# Altium PCB Core.PcbDoc (part 2 of 3)
Units mm, origin at the board's own origin, x right, y up, seen from the top; angles counter-clockwise.
Board outline 77.6 x 67.71 mm, 4 copper layers (Top Layer, Layer 1, Layer 2, Bottom Layer), stack 1.564 mm thick; 287 components, 230 nets, 1091 pads, 581 vias.
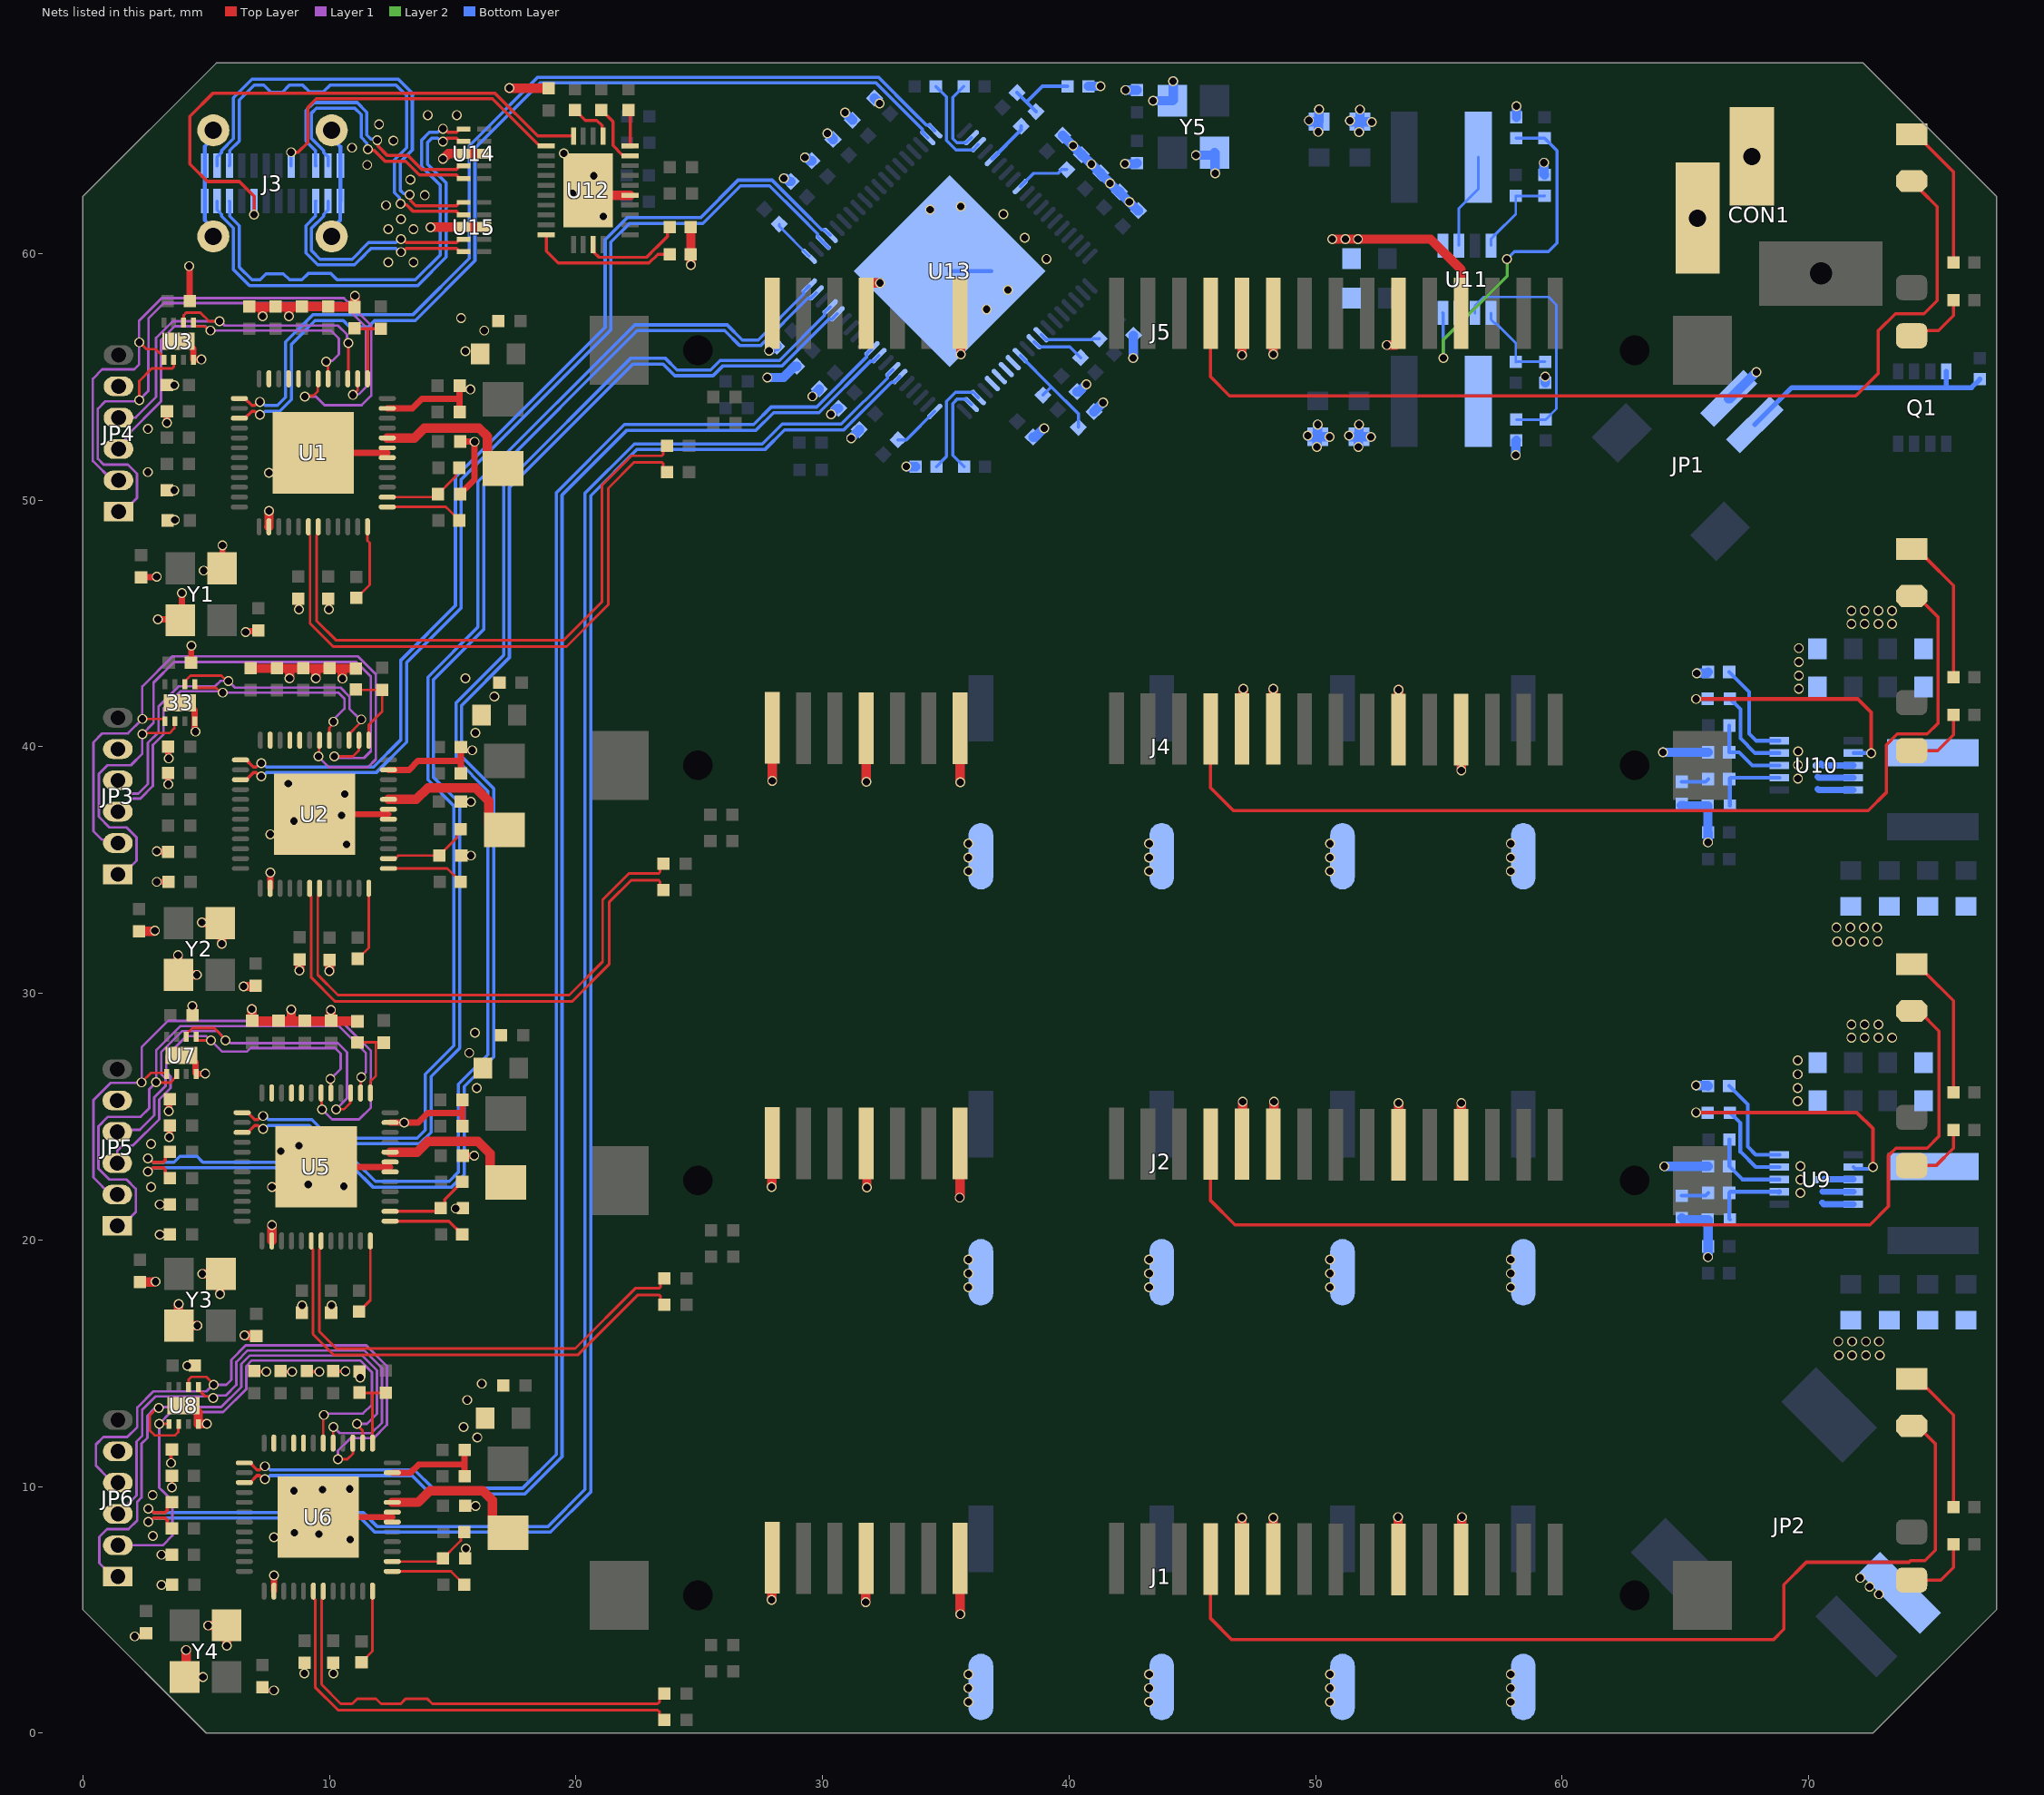
[diagram p4: the nets of this part, all layers, seen from the top]

## Via types
v1: diameter 0.4, hole 0.3, Top Layer to Bottom Layer, tented both sides, 581 vias

## Nets (pads, with @x,y where several pads share a name; then routed paths per layer and width w, separated by ;. In a path a pad name is that pad's centre, name@x,y a point inside that pad or via, vN(x,y) a via of type N, cw(c..) or ccw(c..) an arc to the next point about the centre after c; other vN are vias at no path point) (continued)
GND: 33.4 33.9 C17.1 C18.1 C19.1 C20.1 C21.1 C22.1 C25.1 C26.1 C27.1 C28.1 C29.1 C30.1 C31.1 C32.1 C33.1 C34.1 C35.1 C36.1 C37.1 C38.1 C39.1 C40.1 C41.1 C42.1 C43.1 C44.1 C45.1 C46.1 C47.1 C48.1 C49.1 C50.1 C55.2 C56.2 C57.2 C58.2 C59.1 C60.1 C61.1 C62.1 C63.1 C64.1 C67.1 C68.1 C69.1 C70.1 C71.1 C72.1 C73.1 C74.1 C75.1 C76.1 C77.1 C78.1 C79.1 C80.1 C81.1 C82.1 C83.1 C84.1 C85.1 C86.1 C87.1 C88.1 C89.1 C90.1 C91.1 C92.1 C97.2 C98.2 C99.2 C100.2 C102.1 C103.1 C104.1 C105.1 C106.1 C107.1 C108.1 C109.1 C110.1 C111.1 C113.1 C114.1 C115.1 C116.1 C117.1 C118.1 C119.1 C120.1 C121.1 C122.1 C123.1 C124.1 C125.1 C126.1 C127.1 C128.1 C129.1 C131.2 C142.2 C143.2 C144.1 C145.1 C146.1 C147.1 C148.1 C149.1 C150.1 C151.1 C152.1 C153.1 C154.1 C155.1 C156.1 C157.1 C158.1 C159.1 C160.1 C161.1 C162.1 C163.1 C164.1 CON1.2 CON1.3 E1.2 E2.2 E3.2 E4.2 E5.2 E6.2 E7.2 E8.2 E9.2 E10.2 E11.2 E12.2 J1.P5 J1.P6 J1.P10 J1.P12 J1.S1 J1.S4 J1.S7 J2.P5 J2.P6 J2.P10 J2.P12 J2.S1 J2.S4 J2.S7 J3.A1 J3.A12 J3.B1 J3.B12 J3.SH1 J3.SH2 J3.SH3 J3.SH4 J4.P5 J4.P6 J4.P10 J4.P12 J4.S1 J4.S4 J4.S7 J5.P5 J5.P6 J5.P10 J5.P12 J5.S1 J5.S4 J5.S7 JP1.2 JP2.2 JP3.5 JP4.5 JP5.5 JP6.5 R5.1 R6.1 R13.1 R14.1 R21.2 R22.2 R23.2 R27.2 R28.2 R29.2 R32.2 R33.2 R36.2 R37.2 R44.2 R46.1 R48.1 R49.2 R53.2 U1.26 U1.42 U1.43 U1.47 U1.49 U2.26 U2.42 U2.43 U2.47 U2.49 U3.4 U3.9 U5.26 U5.42 U5.43 U5.47 U5.49 U6.26 U6.42 U6.43 U6.47 U6.49 U7.4 U7.9 U8.4 U8.9 U9.3 U9.4 U9.5 U9.11 U10.3 U10.4 U10.5 U10.11 U11.5 U12.19 U12.29 U13.77 U14.3 U14.8 U15.3 U15.8 Y1.2 Y1.4 Y2.2 Y2.4 Y3.2 Y3.4 Y4.2 Y4.4 Y5.2 Y5.4 | length 219.9
  Top Layer w0.152: v1(2.108,3.926) 2.438,3.926 C99.2@2.565,4.053 ; v1(3.189,7.239) C76.1@3.614,7.239 ; v1(3.196,6.02) C82.1@3.621,6.02 ; v1(3.579,10.952) 3.579,11.471 C91.1@3.614,11.506 ; v1(3.614,9.975) C81.1@3.614,10.439 ; v1(4.242,14.906) 4.535,14.906 C164.1@4.539,14.91 ; C88.1@6.96,14.692 6.99,14.662 v1(7.435,14.662) ; C100.2@7.29,1.861 7.417,1.734 v1(7.747,1.734) ; C78.1@8.026,14.692 8.06,14.659 v1(8.495,14.659) ; v1(8.992,2.427) C79.1@8.992,2.852 ; C92.1@9.093,14.692 9.121,14.665 v1(9.59,14.665) ; v1(10.16,2.427) C80.1@10.16,2.852 ; C77.1@10.16,14.692 10.168,14.684 v1(10.649,14.684) ; R14.1@11.227,14.664 11.252,14.639 v1(11.252,14.416) ; v1@13.284,62.967 v1(13.284,62.992) ; v1(13.868,62.357) v1@13.868,62.382 ; C60.1@15.505,7.087 15.533,7.114 v1(15.533,7.48) ; C75.1@15.505,9.22 v1(15.93,9.22)
  Top Layer w0.254: C55.2@2.362,46.87 2.371,46.879 2.989,46.879 v1(2.998,46.888) ; v1(2.997,34.519) C33.1@3.469,34.519 ; v1(2.997,35.763) 3.01,35.75 3.449,35.75 C36.1@3.462,35.738 ; v1(3.048,45.161) 3.917,45.161 Y1.2@3.951,45.127 4.013,45.19 v1(4.013,46.225) ; v1(3.124,20.218) C73.1@3.533,20.218 ; v1(3.124,21.438) C67.1@3.526,21.438 ; C28.1@3.411,50.394 v1(3.708,50.394) ; v1(3.411,53.13) C30.1@3.411,53.594 ; C43.1@3.411,54.661 v1(3.708,54.661) ; C25.1@3.436,49.174 3.443,49.181 3.727,49.181 v1(3.734,49.187) ; C35.1@3.462,38.938 3.466,38.934 3.466,38.478 v1(3.47,38.474) ; C48.1@3.462,40.005 3.471,39.996 3.471,39.532 v1(3.48,39.522) ; v1(3.48,25.222) 3.503,25.245 3.503,25.682 C87.1@3.526,25.705 ; v1(3.505,24.174) 3.516,24.184 3.516,24.628 C69.1@3.526,24.638 ; U3.9@3.886,56.439 4.186,56.439 4.486,56.139 U3.4@4.486,55.689 4.491,55.693 4.809,55.693 v1(4.813,55.698) ; 33.9@3.937,41.783 4.237,41.783 4.537,41.483 4.537,40.675 4.565,40.647 v1(4.565,40.607) ; U7.9@4.002,27.483 4.416,27.483 4.464,27.435 4.464,27.32 4.575,27.21 4.575,26.771 4.607,26.738 4.963,26.738 v1(4.969,26.744) ; v1(4.318,59.487) 4.327,59.478 4.327,58.074 C161.1@4.336,58.064 ; C162.1@4.387,43.409 4.397,43.419 4.397,44.082 v1(4.408,44.092) ; v1(4.903,47.142) 5.566,47.142 Y1.4@5.651,47.227 5.664,47.241 v1(5.664,48.158) ; v1(6.603,44.653) 6.631,44.681 7.082,44.681 C56.2@7.112,44.711 ; v1(7.555,51.105) 8.534,51.105 U1.49@9.347,51.918 12.347,51.918 ; U2.26@7.598,34.262 7.602,34.266 7.602,34.896 v1(7.606,34.9) ; v1(7.606,36.449) 8.585,36.449 U2.49@9.398,37.262 12.398,37.262 ; U6.26@7.75,5.763 7.755,5.767 7.755,6.397 v1(7.759,6.401) ; C26.1@8.738,46.007 8.75,45.994 8.75,45.58 v1(8.763,45.568) ; v1(8.89,17.348) v1(8.89,17.348) 8.891,17.052 C74.1@8.892,17.051 ; U5.49@9.463,22.962 12.463,22.962 ; U6.49@9.55,8.763 12.55,8.763 ; C31.1@9.957,46.007 9.97,45.994 9.97,45.58 v1(9.982,45.568) ; C68.1@10.072,17.051 10.078,17.056 10.078,17.342 v1(10.084,17.348) ; U1.47@12.347,53.718 13.373,53.718 13.757,54.102 15.284,54.102 ; U2.47@12.398,39.062 13.23,39.062 13.589,39.421 15.309,39.421 15.334,39.446 ; U5.47@12.463,24.762 v1(13.033,24.762) 13.603,24.762 13.987,25.146 15.399,25.146 ; U6.47@12.55,10.563 13.281,10.563 13.615,10.897 15.436,10.897 15.487,10.947 ; v1(15.12,21.273) 15.126,21.279 15.411,21.279 C59.1@15.417,21.285 ; C42.1@15.284,53.569 15.284,54.102 ; C44.1@15.284,54.635 15.284,54.102 ; C17.1@15.302,50.241 15.891,50.831 v1(15.891,52.363) ; C32.1@15.302,52.375 v1@15.959,52.375 ; C37.1@15.334,37.77 v1(15.737,37.77) ; C47.1@15.334,38.913 15.334,39.446 ; C50.1@15.334,39.98 15.334,39.446 ; C18.1@15.353,35.585 v1(15.737,35.585) ; C83.1@15.399,24.613 15.399,25.146 ; C163.1@15.399,25.679 15.399,25.146 ; C70.1@15.417,23.419 v1(15.875,23.419) ; C89.1@15.487,10.414 15.487,10.947 ; C90.1@15.487,11.481 15.487,10.947
  Top Layer w0.381: C57.2@2.286,32.519 2.899,32.519 2.917,32.537 v1(2.922,32.537) ; C97.2@2.311,18.295 2.924,18.295 2.942,18.313 v1(2.947,18.313) ; v1(3.861,31.547) 3.861,30.759 3.962,30.658 Y2.2@4.055,30.751 ; Y2.2@3.874,30.751 Y2.2@4.055,30.751 ; v1(3.886,17.399) 3.886,16.54 Y3.2@3.9,16.527 v1(4.647,16.527) ; U8.9@4.089,13.284 4.389,13.284 4.683,12.991 4.683,12.54 U8.4@4.689,12.534 4.699,12.544 5.02,12.544 5.024,12.548 v1(5.029,12.548) ; v1(4.191,3.375) 4.191,2.34 Y4.2@4.128,2.277 v1(4.876,2.277) ; v1(4.445,29.489) 4.448,29.486 4.448,29.112 C85.1@4.452,29.108 ; v1(4.622,30.751) Y2.2@4.055,30.751 ; v1(4.827,32.868) 5.558,32.868 Y2.4@5.574,32.851 5.639,32.786 v1(5.639,32.004) ; v1(4.852,18.627) Y3.4@5.6,18.627 5.563,18.59 v1(5.563,17.811) ; v1(5.081,4.369) 5.82,4.369 Y4.4@5.828,4.377 5.842,4.364 v1(5.842,3.553) ; v1(6.527,30.277) 6.53,30.28 6.989,30.28 C58.2@7.01,30.302 ; v1(6.552,16.129) 6.556,16.125 7.021,16.125 C98.2@7.036,16.111 ; C41.1@6.756,57.861 6.785,57.833 7.29,57.833 ; C46.1@6.807,43.191 6.821,43.177 8.458,43.177 ; v1(6.858,29.362) 6.862,29.359 6.862,28.901 C84.1@6.872,28.891 6.886,28.877 8.454,28.877 ; v1(7.29,57.452) 7.29,57.833 ; U1.26@7.547,48.918 7.552,48.922 7.552,49.552 v1(7.555,49.555) ; U5.26@7.663,19.962 7.667,19.966 7.667,20.596 v1(7.671,20.599) ; v1(7.671,22.149) 8.65,22.149 U5.49@9.463,22.962 ; v1(8.357,57.452) 8.36,57.455 8.36,57.763 8.43,57.833 ; v1(8.386,42.777) 8.389,42.781 8.389,43.108 8.458,43.177 ; v1(8.458,29.337) 8.455,29.333 8.455,28.878 8.454,28.877 ; v1(8.787,30.921) C40.1@8.788,31.376 ; v1(9.453,42.777) 9.449,42.781 9.449,43.151 9.423,43.177 ; C27.1@9.909,57.833 9.909,57.835 9.897,57.847 8.904,57.847 8.89,57.833 8.43,57.833 ; C27.1@9.957,57.833 11.009,57.833 R5.1@11.012,57.831 ; v1(10.002,30.9) 10.005,30.902 10.005,31.348 C38.1@10.008,31.351 ; C39.1@10.008,43.177 9.423,43.177 ; C39.1@10.008,43.191 10.022,43.177 10.515,43.177 ; C72.1@10.058,28.877 8.454,28.877 ; v1(10.062,29.328) 10.066,29.324 10.066,28.897 C72.1@10.072,28.891 ; C72.1@10.072,28.877 11.125,28.877 R13.1@11.139,28.863 ; v1(10.531,42.764) 10.527,42.767 10.527,43.165 10.515,43.177 ; R5.1@11.024,57.819 R5.1@11.012,57.831 ; v1(11.037,58.281) 11.033,58.277 11.033,57.852 R5.1@11.012,57.831 ; R6.1@11.074,43.163 11.06,43.177 10.515,43.177 ; v1(14.097,61.062) 14.102,61.062 14.11,61.07 U15.8@15.443,61.07 U15.3@16.278,61.07 ; v1(14.605,63.83) 14.61,63.83 14.823,64.043 U14.8@15.443,64.043 U14.3@16.278,64.043 ; v1(17.297,66.7) 17.303,66.7 17.31,66.693 C129.1@18.898,66.693 ; U12.29@20.498,62.56 U12.29@20.698,62.36 ; v1(21.107,61.493) 21.107,61.951 U12.29@20.698,62.36 ; U12.19@22.198,62.36 U12.29@20.698,62.36 ; R46.1@24.657,61.062 24.66,61.058 24.66,59.539 v1(24.663,59.536) ; v1(27.94,5.41) 27.944,5.414 27.944,7.097 J1.S1@27.96,7.114 ; v1(27.94,22.149) 27.944,22.152 27.944,23.92 J2.S1@27.96,23.937 ; v1(27.96,38.608) J4.S1@27.96,40.767 ; v1(31.75,5.309) 31.754,5.312 31.754,7.073 J1.S4@31.77,7.09 ; J2.S4@31.77,23.913 31.797,23.886 31.797,22.127 v1(31.801,22.123) ; J4.S4@31.77,40.743 31.773,40.74 31.773,38.585 v1(31.775,38.583) ; J5.S4@31.77,57.573 31.77,58.692 31.88,58.801 v1(32.334,58.801) ; v1(35.56,21.717) 35.56,21.722 35.58,21.742 J2.S7@35.58,23.913 ; J1.S7@35.58,7.09 35.583,7.087 35.583,4.829 v1(35.585,4.826) ; J4.S7@35.58,40.743 35.583,40.74 35.583,38.56 v1(35.585,38.557) ; J5.S7@35.58,57.573 35.607,57.546 35.607,55.909 v1(35.611,55.905) ; J1.P5@47.01,7.066 47.013,7.068 47.013,8.735 v1(47.015,8.738) ; J2.P5@47.01,23.889 47.037,23.915 47.037,25.6 v1(47.041,25.603) ; J4.P5@47.01,40.719 47.063,40.771 47.063,42.338 v1(47.066,42.342) ; J5.P5@47.01,57.549 47.013,57.546 47.013,55.883 v1(47.015,55.88) ; J1.P6@48.28,7.066 48.283,7.068 48.283,8.735 v1(48.285,8.738) ; J2.P6@48.28,23.889 48.307,23.915 48.307,25.6 v1(48.311,25.603) ; J4.P6@48.28,40.719 48.283,40.721 48.283,42.339 v1(48.285,42.342) ; J5.P6@48.28,57.549 48.283,57.546 48.283,55.908 v1(48.285,55.905) ; v1(50.673,60.579) v1(51.206,60.579) v1(51.714,60.579) 54.661,60.579 55.9,59.339 J5.P12@55.9,57.525 ; v1(52.883,56.283) 53.251,56.283 53.36,56.393 J5.P10@53.36,57.525 ; v1(53.34,8.763) 53.344,8.759 53.344,7.058 J1.P10@53.36,7.042 ; J2.P10@53.36,23.865 53.363,23.867 53.363,25.55 v1(53.365,25.552) ; J4.P10@53.36,40.695 53.363,40.697 53.363,42.314 v1(53.365,42.316) ; J1.P12@55.9,7.042 55.927,7.068 55.927,8.759 v1(55.931,8.763) ; J2.P12@55.9,23.865 55.903,23.867 55.903,25.55 v1(55.905,25.552) ; J4.P12@55.9,40.695 55.903,40.692 55.903,39.042 v1(55.905,39.04) ; 7.29,57.833 8.43,57.833 ; 8.458,43.177 9.423,43.177
  Bottom Layer w0.152: J3.SH2@5.296,60.69 5.296,61 4.946,61.35 J3.B1@4.946,62.12 J3.A12@4.946,63.56 4.946,64.329 5.296,64.679 J3.SH3@5.296,64.99 ; J3.SH1@10.096,60.69 10.096,61 10.44,61.343 J3.B12@10.44,62.113 ; J3.SH4@10.096,64.99 10.096,64.679 10.446,64.329 J3.A1@10.446,63.56 J3.B12@10.446,62.12 ; U13.77@35.154,59.4 U13.77@35.154,59.284 U13.77@36.847,59.284
  Bottom Layer w0.254: 70.358,38.278 70.393,38.243 U10.5@71.807,38.243 ; 70.358,38.786 70.401,38.743 U10.4@71.807,38.743 ; 70.485,39.319 70.561,39.243 U10.3@71.807,39.243 ; 70.536,21.514 70.596,21.453 U9.5@71.807,21.453 ; 70.561,21.971 70.579,21.954 U9.4@71.807,21.954 ; 70.637,22.479 70.663,22.453 U9.3@71.807,22.453
  Bottom Layer w0.381: v1(27.762,54.966) 27.766,54.969 28.418,54.969 28.87,55.421 C153.1@28.955,55.421 ; v1(27.836,56.054) 27.839,56.058 27.882,56.058 28.058,56.234 C147.1@28.142,56.234 ; v1(28.435,63.045) 28.438,63.042 28.517,63.042 28.642,62.917 C146.1@28.726,62.917 ; v1(29.286,63.895) 29.29,63.891 29.344,63.891 29.48,63.755 C152.1@29.564,63.755 ; v1(29.591,54.204) 29.591,54.209 29.869,54.487 C154.1@29.869,54.507 ; v1(30.201,64.872) 30.201,64.866 30.428,64.639 C150.1@30.428,64.619 ; v1(30.344,53.473) 30.349,53.473 30.596,53.72 C149.1@30.656,53.72 ; v1(30.912,65.71) C151.1@31.215,65.406 ; v1(31.166,52.502) 31.166,52.507 31.495,52.836 C157.1@31.495,52.856 ; C158.1@32.104,66.295 v1(32.315,66.085) ; v1(33.401,51.359) R44.2@33.77,51.359 ; C148.1@38.533,52.551 38.617,52.551 38.971,52.905 38.985,52.905 v1(38.989,52.908) ; C144.1@39.739,64.783 v1(40.157,64.364) ; v1(40.157,64.364) 40.157,64.359 40.509,64.008 R49.2@40.509,64.004 40.521,64.004 R49.2@40.542,63.983 ; C156.1@40.323,54.393 40.393,54.393 40.691,54.692 v1(40.697,54.692) ; R49.2@40.513,63.983 R49.2@40.542,63.983 ; R53.2@40.786,66.777 v1(41.275,66.777) ; C131.2@41.009,53.582 v1(41.377,53.95) ; C160.1@41.288,63.259 41.271,63.259 v1(40.909,63.621) ; C160.1@41.3,63.221 41.3,63.205 41.661,62.845 v1(41.661,62.84) 42.003,62.497 C155.1@42.05,62.497 ; C155.1@42.082,62.444 v1(42.443,62.083) 42.449,62.083 42.796,61.735 C159.1@42.812,61.735 ; v1(42.266,63.627) 42.269,63.631 42.719,63.631 C143.2@42.748,63.66 ; v1(42.291,66.624) 42.295,66.621 42.745,66.621 C142.2@42.748,66.617 ; v1(42.596,55.753) 42.596,55.758 42.609,55.772 C145.1@42.609,56.679 ; v1(43.409,66.192) 44.19,66.192 Y5.4@44.195,66.188 44.221,66.214 v1(44.221,66.986) ; v1(45.147,63.983) 45.79,63.983 Y5.2@45.895,64.088 45.923,64.059 v1(45.923,63.246) ; v1(49.675,52.611) 49.681,52.611 49.731,52.561 C128.1@50.065,52.561 ; v1(49.726,65.39) 49.731,65.39 49.782,65.339 C125.1@50.116,65.339 ; v1(50.053,52.151) 50.057,52.155 50.057,52.553 C128.1@50.065,52.561 ; v1(50.085,53.061) 50.082,53.058 50.082,52.578 C128.1@50.079,52.574 ; v1(50.104,64.929) 50.108,64.933 50.108,65.331 C125.1@50.116,65.339 ; v1(50.136,65.84) 50.133,65.836 50.133,65.356 C125.1@50.129,65.353 ; C125.1@50.14,65.343 C125.1@50.129,65.353 ; v1(50.564,52.561) 50.561,52.564 C128.1@50.089,52.564 C128.1@50.079,52.574 ; v1(51.352,52.611) 51.357,52.611 51.408,52.561 C127.1@51.741,52.561 ; v1(51.387,65.38) 51.393,65.38 51.443,65.329 C126.1@51.777,65.329 ; v1(51.73,52.151) 51.733,52.155 51.733,52.553 C127.1@51.741,52.561 ; v1(51.762,53.061) 51.758,53.058 51.758,52.578 C127.1@51.755,52.574 ; v1(51.765,64.919) 51.769,64.923 51.769,65.321 C126.1@51.777,65.329 ; v1(51.797,65.829) 51.794,65.826 51.794,65.346 C126.1@51.791,65.343 ; v1(52.241,52.561) 52.237,52.564 C127.1@51.765,52.564 C127.1@51.755,52.574 ; v1(52.276,65.329) 52.273,65.332 51.801,65.332 C126.1@51.791,65.343 ; v1(58.115,51.816) 58.119,51.82 58.119,52.392 R33.2@58.141,52.414 ; R32.2@58.141,65.525 v1(58.141,65.964) ; v1(59.258,63.678) 59.262,63.674 59.262,63.21 R36.2@59.284,63.188 ; R37.2@59.309,54.757 v1(59.309,55.005) ; v1(64.084,39.776) 64.086,39.775 65.918,39.775 R27.2@65.92,39.773 ; v1(64.138,22.987) 65.916,22.987 R21.2@65.921,22.992 ; C122.1@64.821,37.617 64.904,37.617 64.919,37.603 C121.1@65.898,37.603 65.909,37.592 R29.2@65.909,36.507 ; C111.1@64.848,20.895 64.92,20.822 C110.1@65.9,20.822 65.91,20.812 65.91,19.748 R23.2@65.921,19.738 65.917,19.733 65.917,19.308 v1(65.913,19.304) ; v1(65.43,26.264) 65.434,26.26 65.909,26.26 R22.2@65.921,26.247 ; v1(65.456,42.977) 65.459,42.98 65.873,42.98 R28.2@65.92,43.028 ; v1(65.913,36.119) 65.916,36.122 65.916,36.5 R29.2@65.909,36.507 ; R29.2@65.92,36.518 R29.2@65.909,36.507 ; JP1.2@66.748,54.118 66.796,54.118 67.865,55.187 v1(67.871,55.187) ; R49.2@40.542,63.983 40.904,63.621 v1(40.909,63.621) ; R49.2@40.542,63.983 40.548,63.983 v1(40.909,63.621) ; C128.1@50.065,52.561 C128.1@50.079,52.574 ; C125.1@50.116,65.339 C125.1@50.129,65.353 ; C127.1@51.741,52.561 C127.1@51.755,52.574 ; C126.1@51.777,65.329 C126.1@51.791,65.343
  other v1: 35.916,1.27 43.248,1.27 50.58,1.27 57.912,1.27 35.916,1.829 43.248,1.829 50.58,1.829 57.912,1.829 35.916,2.388 43.248,2.388 50.58,2.388 57.912,2.388 72.847,5.639 72.466,5.944 72.085,6.299 10.846,7.849 7.759,7.95 2.835,7.998 9.576,8.077 8.585,8.128 2.831,9.652 8.56,9.83 9.728,9.881 10.82,9.906 16.002,11.989 15.443,12.421 15.596,13.513 16.18,14.173 71.223,15.325 71.757,15.325 72.315,15.325 72.874,15.325 71.198,15.884 71.757,15.884 72.315,15.884 72.849,15.884 35.916,18.085 43.248,18.085 50.58,18.085 57.912,18.085 35.916,18.644 43.248,18.644 50.58,18.644 57.912,18.644 35.916,19.202 43.248,19.202 50.58,19.202 57.912,19.202 69.663,21.905 2.769,22.149 10.592,22.174 9.144,22.25 69.663,22.439 69.663,22.997 8.026,23.597 8.763,23.825 2.769,23.901 69.545,25.629 15.977,26.162 69.545,26.162 69.545,26.721 69.545,27.28 15.672,27.584 71.731,28.203 72.265,28.203 72.823,28.203 73.382,28.203 15.9,28.397 71.731,28.736 72.265,28.736 72.823,28.736 71.145,32.106 71.679,32.106 72.238,32.106 72.796,32.106 71.12,32.664 71.679,32.664 72.238,32.664 72.771,32.664 35.916,34.95 43.248,34.95 50.58,34.95 57.912,34.95 35.916,35.509 43.248,35.509 50.58,35.509 57.912,35.509 10.693,36.043 35.916,36.068 43.248,36.068 50.58,36.068 57.912,36.068 8.56,36.982 10.49,37.211 10.617,38.075 8.331,38.506 69.56,38.703 69.56,39.261 69.561,39.805 15.799,39.853 15.926,40.564 16.688,42.037 69.596,42.342 15.519,42.774 69.596,42.875 69.596,43.434 69.596,43.993 71.73,44.983 72.263,44.983 72.822,44.983 73.381,44.983 71.73,45.517 72.263,45.517 72.822,45.517 73.381,45.517 2.642,51.13 2.642,52.883 15.723,54.483 15.519,56.032 16.281,56.871 15.341,57.379 36.652,57.734 37.516,58.522 12.395,59.639 13.411,59.639 39.083,59.776 38.198,60.634 12.395,60.985 13.411,60.985 12.903,61.392 37.338,61.585 34.366,61.773 35.611,61.9 12.294,61.951 19.863,62.433 20.726,63.144 11.536,63.589 19.507,64.059 10.922,64.287 12.598,64.567 12.014,65.227 13.995,65.608 15.164,65.608
GPIO0-A: JP4.1 U1.2 U3.2 | length 27.2
  Top Layer w0.102: v1(2.286,54.051) 2.286,54.828 2.795,55.336 3.627,55.336 3.686,55.396 U3.2@3.686,55.689 ; v1(10.948,54.262) 10.95,54.262 11.147,54.46 U1.2@11.147,54.918
  Layer 1 w0.102: JP4.1@1.448,49.53 1.648,49.53 2.2,50.082 2.2,51.064 1.829,51.435 0.846,51.435 0.61,51.672 0.61,53.696 0.914,54 2.235,54 v1(2.286,54.051) 2.66,54.425 2.66,56.083 2.662,56.086 2.662,57.366 3.285,57.988 10.508,57.988 11.061,57.435 11.493,57.003 11.493,54.585 11.207,54.299 10.985,54.299 v1(10.948,54.262)
GPIO0-B: 33.2 JP3.1 U2.2 | length 28
  Top Layer w0.102: v1(2.413,40.513) 2.451,40.551 3.52,40.551 3.713,40.745 3.713,41.009 33.2@3.737,41.033 ; v1(10.198,39.606) 10.955,39.606 11.198,39.849 U2.2@11.198,40.262
  Layer 1 w0.102: JP3.1@1.422,34.823 1.622,34.823 2.175,35.376 2.175,36.322 1.769,36.728 1.076,36.728 0.648,37.157 0.648,38.9 0.995,39.247 1.949,39.247 2.413,39.711 v1(2.413,40.513) 2.869,40.969 2.869,42.595 3.708,43.434 11.092,43.434 11.681,42.845 11.681,39.82 11.405,39.544 10.418,39.544 10.413,39.549 10.255,39.549 v1(10.198,39.606)
GPIO0-C: JP5.1 U5.2 U7.2 | length 22.4
  Top Layer w0.102: v1(2.977,26.397) 2.993,26.38 3.565,26.38 3.654,26.47 3.654,26.485 3.802,26.633 U7.2@3.802,26.733 ; U5.2@11.263,25.962 11.278,25.977 11.278,26.579 v1(11.293,26.594)
  Layer 1 w0.102: JP5.1@1.397,20.574 1.597,20.574 2.149,21.126 2.149,22.073 1.771,22.451 1.078,22.451 0.635,22.895 0.635,24.603 1.025,24.994 2.348,24.994 2.692,25.338 2.692,26.113 v1(2.977,26.397) 2.977,27.691 3.959,28.673 10.384,28.673 11.481,27.576 11.481,26.803 11.293,26.615 v1(11.293,26.594)
GPIO0-D: JP6.1 U6.2 U8.2 | length 25.7
  Top Layer w0.102: v1(3.087,13.19) 3.013,13.19 2.721,12.898 2.721,12.265 2.908,12.078 3.746,12.078 3.875,12.206 3.875,12.52 U8.2@3.89,12.534 ; v1(11.125,12.548) 11.125,12.5 11.35,12.274 U6.2@11.35,11.763
  Layer 1 w0.102: JP6.1@1.422,6.35 1.222,6.35 0.873,6.699 0.67,6.902 0.67,7.96 0.991,8.28 1.854,8.28 2.21,8.636 2.21,9.39 2.378,9.558 2.378,11.743 2.616,11.981 2.616,12.878 2.871,13.132 3.06,13.132 3.15,13.222 5.611,13.222 6.426,14.037 6.426,14.969 6.773,15.316 11.328,15.316 11.927,14.718 11.927,12.949 11.525,12.548 v1(11.125,12.548)
GPIO1-A: JP4.4 U1.3 U3.6 | length 16.3
  Top Layer w0.102: U3.6@4.086,57.189 4.089,57.192 4.089,57.496 4.195,57.602 4.764,57.602 5.117,57.248 v1(5.549,57.248) ; U1.3@10.747,54.918 10.766,54.936 10.766,55.256 10.77,55.26 v1(10.77,56.363)
  Layer 1 w0.102: JP4.4@1.448,53.34 1.451,53.343 2.141,53.343 2.972,54.174 2.972,56.574 3.646,57.248 5.583,57.248 5.758,57.074 10.354,57.074 10.713,56.715 10.713,56.419 v1(10.77,56.363)
GPIO1-B: 33.6 JP3.4 U2.3 | length 17.6
  Top Layer w0.102: 33.6@4.137,42.533 4.186,42.582 4.186,42.698 4.374,42.886 4.7,42.886 5.623,42.886 5.842,42.667 v1(5.903,42.667) ; U2.3@10.798,40.262 10.798,40.512 11.236,40.95 11.236,41.05 v1(11.293,41.107)
  Layer 1 w0.102: JP3.4@1.422,38.633 1.956,38.1 2.253,38.1 2.642,38.489 2.642,40.157 3.073,40.589 3.073,41.639 3.885,42.45 5.366,42.45 5.583,42.667 v1(5.903,42.667) 6.177,42.393 10.459,42.393 10.814,42.038 10.814,41.541 11.248,41.107 v1(11.293,41.107)